# KiCad board for_real_486_rc13.kicad_pcb (continued)
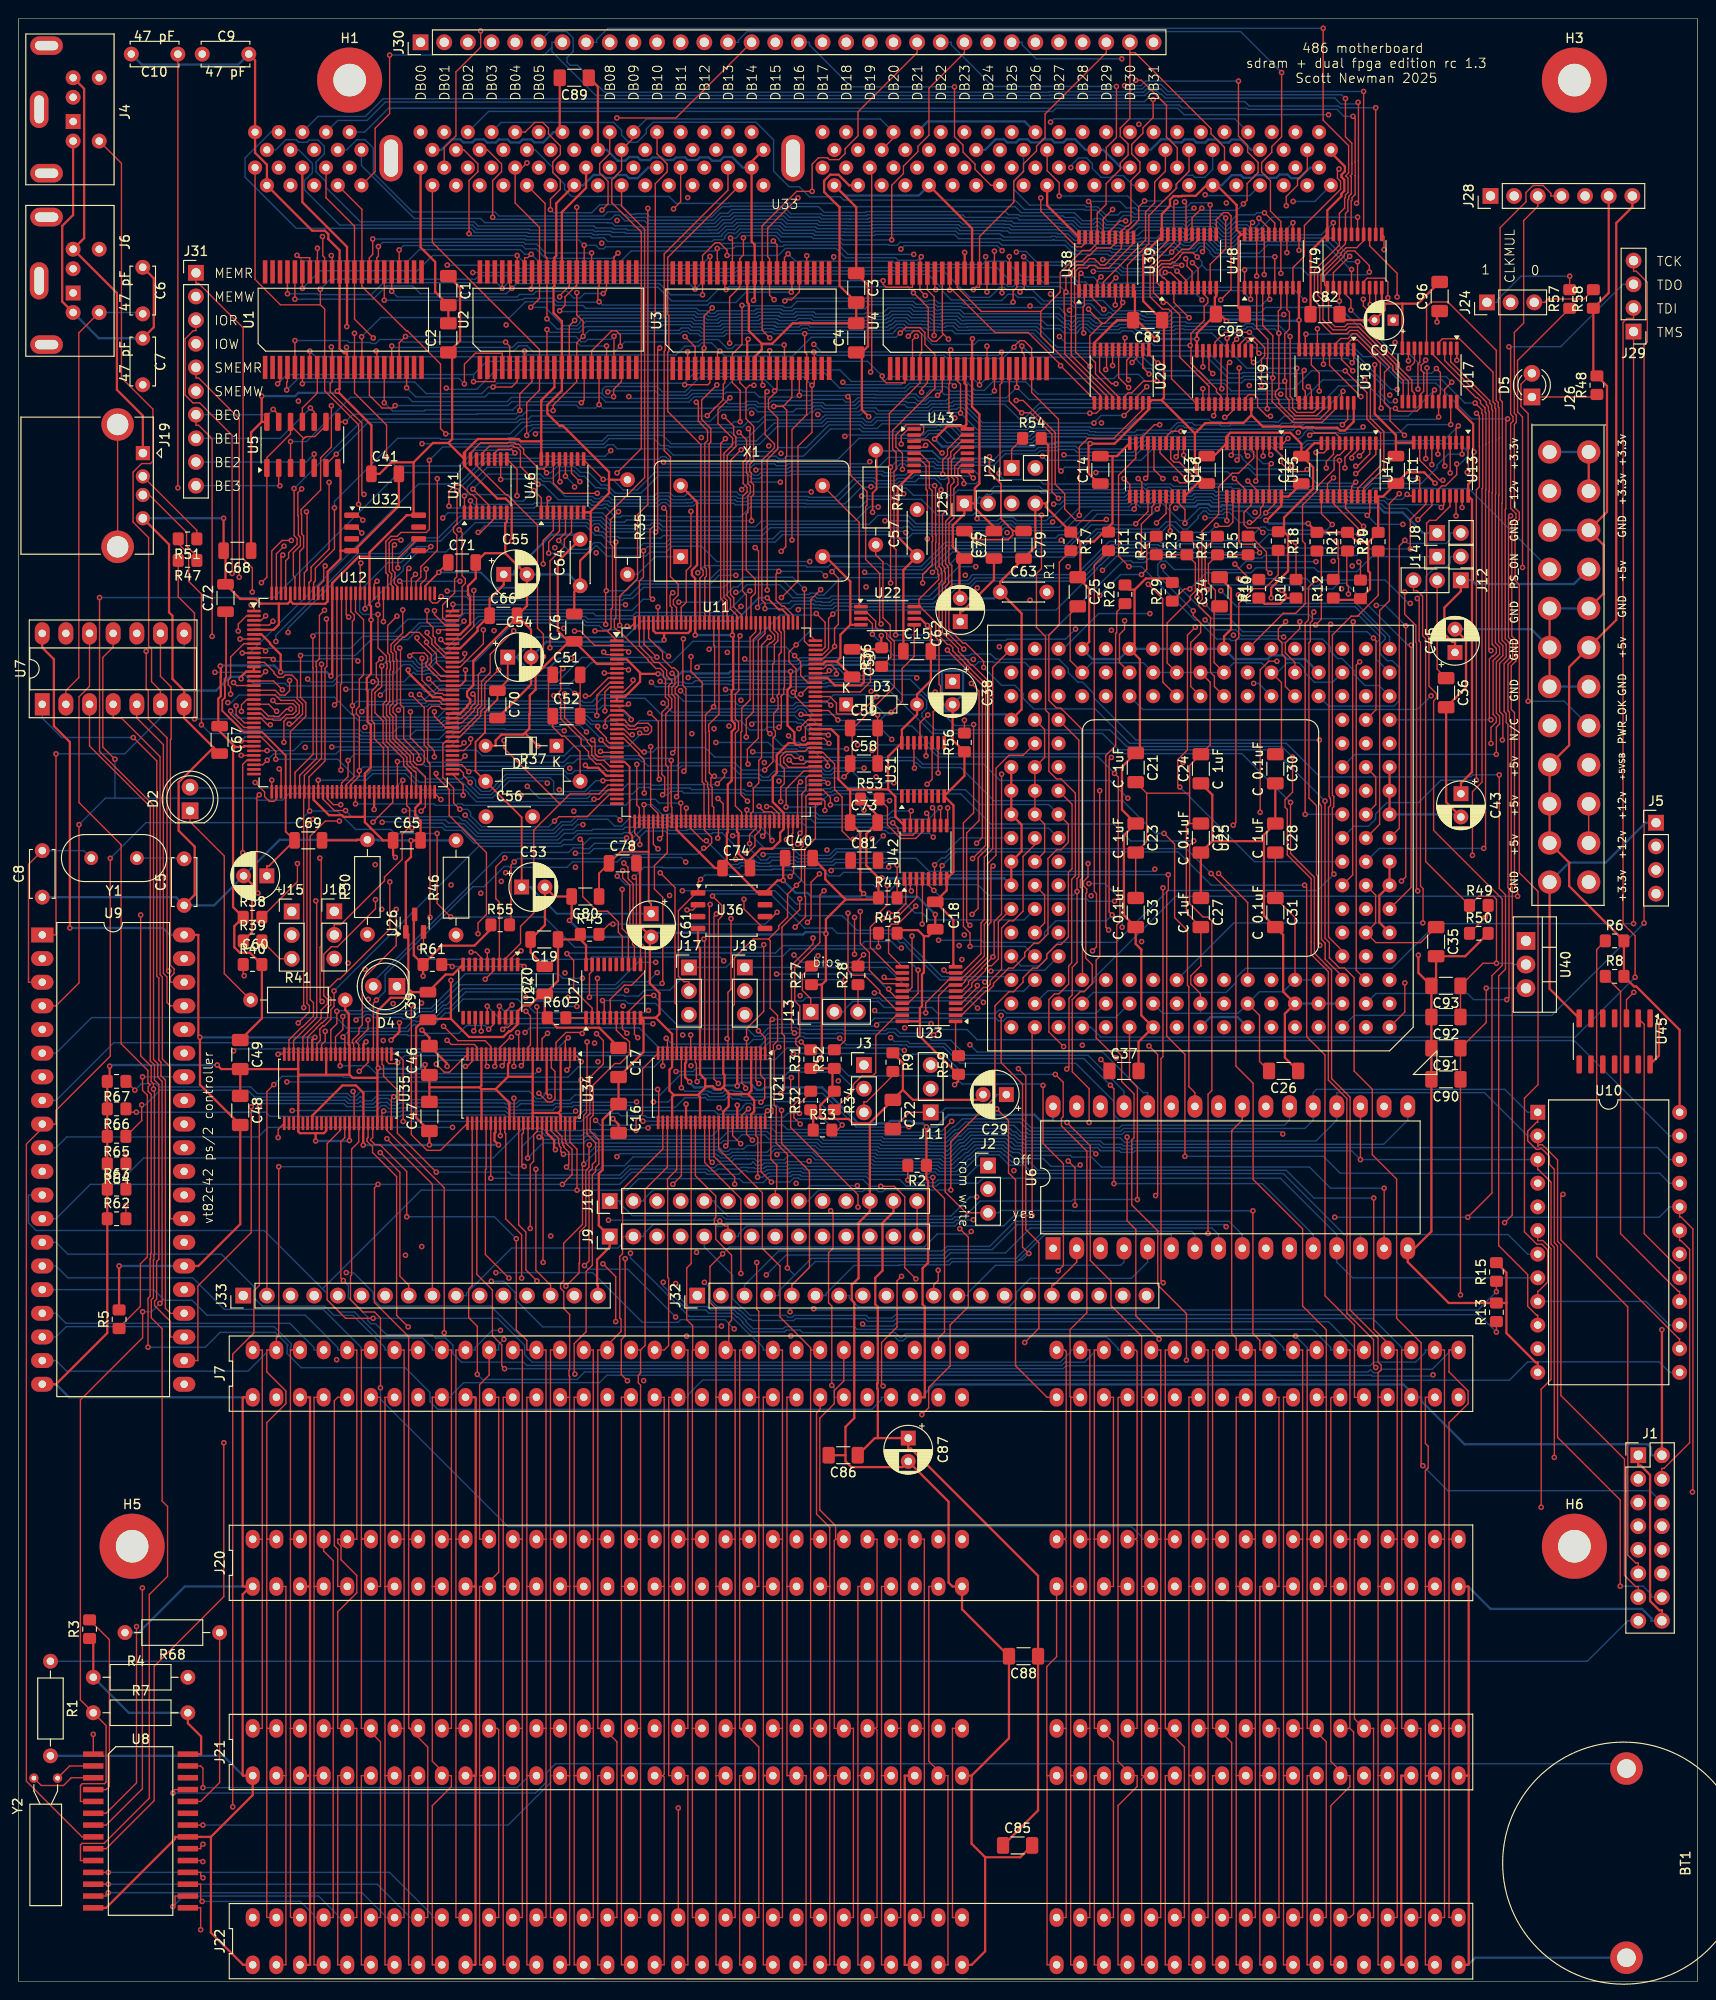
[diagram p0: board, top side]
## Routing (per net, layer and track width the routed paths; a pad name or vN(x,y) marks a point on that pad's centre or on a via; arc(x,y) is an arc through that point) (continued)
AB22: length 161.2
  Top w0.15: U35.11 35.04,101.23 v1(34.84,101.44) ; U11.98 84.79,139 v1(84.03,138.24) ; v1(128.67,156.39) 128.77,156.29 130,156.29 130.44,156.74 U15.12
  In2.Cu w0.15: 70.83,138.68 70.05,137.9 70.05,136.81 68,134.76 68,134.27 67.66,133.93 67.39,133.93 66.95,133.5 66.84,133.5 66.32,132.98 66.3,132.98 64.77,131.45 64.77,130.04 64.84,129.97 64.84,128.01 64.49,127.66 64.49,126.66 63.33,125.5 63.33,121.92 63.03,121.61 63.03,121.51 62.5,120.98 62.5,119.73 62.32,119.55 62.32,119.49 62.32,116.24 62.09,116.01 62.09,115.22 61.86,114.99 61.86,110.52 59.97,108.64 v1(59.97,104.72) ; 70.83,138.68 71.06,138.68 v1(71.11,138.63) ; 70.83,138.68 70.83,148.06 v1(70.91,148.14)
  Bottom w0.15: v1(71.11,138.63) 71.6,138.14 76.15,138.14 76.24,138.23 82.64,138.23 82.98,137.89 83.46,137.89 83.81,138.24 v1(84.03,138.24) ; v1(34.84,101.44) 35.43,102.04 41.84,102.04 41.96,102.16 41.96,102.29 42.47,102.8 42.53,102.8 42.63,102.7 42.87,102.7 42.92,102.75 44.57,102.75 45.84,104.03 46.28,104.03 47.76,105.51 53.6,105.51 53.98,105.12 55.24,105.12 55.42,105.3 58.42,105.3 59.01,104.72 v1(59.97,104.72) ; v1(70.91,148.14) 75.18,148.14 76.81,149.77 77.25,149.77 77.9,150.42 82.17,150.42 83.63,148.97 84.65,148.97 84.65,148.97 84.88,148.97 85.02,149.11 85.72,149.11 85.92,148.91 86.49,148.91 88.36,150.78 98.61,150.78 100.81,152.98 113.32,152.98 115.98,155.64 122.75,155.64 123.53,156.42 123.9,156.42 124.68,155.64 127.92,155.64 v1(128.67,156.39)
AB23: length 160.7
  Top w0.15: U35.12 v1(34.54,98.35) ; U15.11 v1(129.79,156.9) ; v1(83.36,142.4) 84.01,141.75 84.01,140.26 84.77,139.5 U11.99
  In1.Cu w0.15: v1(62.23,98.78) 61.66,98.2 60.2,98.2 59.95,98.46 56.45,98.46 v1(55.87,97.88) ; v1(102.83,151.96) 104.04,153.17 114.35,153.17 118.32,157.15 121.92,157.15 122,157.23 127.42,157.23 v1(127.44,157.2)
  In2.Cu w0.15: v1(77.05,149.2) 74.18,146.33 v1(74.18,143.08) 73.9,142.81 73.9,138.31 72.85,137.26 72.85,136.9 71.04,135.09 71.04,134.53 66.25,129.75 66.25,127.43 65.9,127.08 65.9,125.44 65.55,125.08 65.55,124.09 64.74,123.28 64.74,121.33 64.44,121.03 64.44,120.93 63.91,120.4 63.91,119.14 63.73,118.97 63.73,114.87 63.27,114.41 63.27,105.74 63.3,105.71 63.3,104.83 62.66,104.19 62.66,101.48 62.6,101.42 62.6,100.35 62.23,99.98 v1(62.23,98.78)
  Bottom w0.15: v1(77.05,149.2) 77.4,149.2 78.22,150.02 81.76,150.02 83.16,148.62 84.8,148.62 84.8,148.62 85.03,148.62 85.15,148.74 85.59,148.74 85.77,148.56 85.78,148.56 87.07,148.56 87.31,148.79 97.82,148.79 100.99,151.96 v1(102.83,151.96) ; v1(34.54,98.35) 37.57,98.35 38.41,97.5 55.5,97.5 v1(55.87,97.88) ; v1(127.44,157.2) 129.49,157.2 v1(129.79,156.9) ; v1(74.18,143.08) 74.42,143.33 82.43,143.33 v1(83.36,142.4)
AB24: length 132.5
  Top w0.15: U11.101 86.79,140.5 v1(87.08,140.79) ; v1(123.71,155.79) 123.67,155.83 123.67,158.53 123.92,158.77 U16.18 ; v1(34.83,103.64) 34.83,102.25 34.04,101.46 U35.13
  In1.Cu w0.15: v1(96.49,140.01) 98.23,141.75 101.51,141.75 102.33,142.57 103.06,142.57 105.46,144.98 107.82,144.98 114.98,152.15 118.58,152.15 122.22,155.79 v1(123.71,155.79) ; v1(74.71,134.55) 75.2,134.55 76.07,135.41 76.4,135.41 80.03,139.05 85.34,139.05 v1(87.08,140.79)
  In2.Cu w0.15: v1(68.44,109.46) 68.44,110.57 69.43,111.57 69.43,116.32 69.35,116.4 69.35,118.57 70.11,119.33 70.11,120.05 71.31,121.26 71.31,123.89 72.67,125.24 72.67,132.51 v1(74.71,134.55)
  Bottom w0.15: v1(34.83,103.64) 35.09,103.9 36.83,103.9 37.15,104.21 37.92,104.21 38.23,103.9 42.69,103.9 42.96,104.16 44.42,104.16 45.47,105.21 45.57,105.21 47.42,107.05 64.13,107.05 66.53,109.46 v1(68.44,109.46) ; v1(87.08,140.79) 87.39,140.79 87.6,141.01 87.62,141.01 87.62,141.01 88.1,141.01 88.86,140.25 96.25,140.25 v1(96.49,140.01)
AB25: length 134.2
  Top w0.15: U35.14 33.54,102.21 34.18,102.85 v1(34.18,104.2) ; U11.102 86.48,141 86.84,141.37 87.32,141.37 87.86,140.83 v1(87.86,140.43) ; v1(122.24,156.65) 123.27,157.68 U16.17
  In1.Cu w0.15: v1(87.86,140.43) 94.08,140.43 98.62,144.97 102.79,144.97 110.36,152.53 118.12,152.53 v1(122.24,156.65)
  In2.Cu w0.15: v1(60.57,107.74) 62.21,109.39 62.21,114.85 62.44,115.08 62.44,115.86 62.67,116.1 62.67,119.4 62.85,119.58 62.85,120.83 63.38,121.37 63.38,121.47 63.68,121.77 63.68,125.36 64.84,126.52 64.84,127.52 65.2,127.87 65.2,130.12 65.13,130.19 65.13,131.3 66.45,132.63 66.47,132.63 66.99,133.15 67.1,133.15 67.52,133.56 67.52,133.56 67.54,133.58 67.8,133.58 68.35,134.12 68.35,134.61 71.93,138.19 v1(71.93,140.04)
  Bottom w0.15: v1(87.86,140.43) 87.63,140.21 84.52,140.21 84.43,140.12 79.76,140.12 79.71,140.17 76.51,140.17 76.4,140.05 71.94,140.05 v1(71.93,140.04) ; v1(34.18,104.2) 34.24,104.26 36.7,104.26 37,104.56 38.06,104.56 38.36,104.26 42.56,104.26 42.81,104.51 44.27,104.51 48,108.23 57.97,108.23 58.46,107.74 v1(60.57,107.74)
AB26: length 137.4
  Top w0.15: v1(122.32,158.15) 122.61,158.45 U16.16 ; v1(87.38,151.42) 88.06,150.74 88.06,145.75 87.65,145.34 v1(87.65,143.38) 87.65,143.29 86.53,142.17 86.51,142.17 86.34,142 U11.104 ; v1(32.94,102.05) 32.94,101.01 32.54,100.61 U35.16
  In1.Cu w0.15: v1(77.59,137.61) 79.37,139.4 83.67,139.4 v1(87.65,143.38)
  In2.Cu w0.15: v1(36.25,103.26) 35.04,102.05 v1(32.94,102.05) ; v1(68.6,108.36) 69.02,108.77 69.02,110.26 70.58,111.83 70.58,115.35 71.89,116.66 71.89,119.64 72.66,120.41 72.66,122.62 74.16,124.11 74.16,129.71 75.95,131.5 75.95,132 76.88,132.93 76.88,136.91 v1(77.59,137.61)
  Bottom w0.15: v1(68.6,108.36) 67.6,107.35 64.93,107.35 64.38,106.81 64.2,106.63 47.71,106.63 45.94,104.85 45.61,104.85 44.56,103.81 43.1,103.81 42.83,103.53 42.21,103.53 42.07,103.38 41.3,103.38 41.15,103.54 38.08,103.54 37.77,103.86 37.29,103.86 36.98,103.54 36.53,103.54 v1(36.25,103.26) ; v1(87.38,151.42) 87.89,151.93 92.61,151.93 92.92,151.62 97.12,151.62 99.73,154.23 112.5,154.23 115.88,157.6 117.09,157.6 117.15,157.54 121.7,157.54 v1(122.32,158.15)
AB27: length 131.7
  Top w0.15: v1(120.57,153.32) 120.61,153.37 120.61,156.53 121.74,157.65 121.74,158.39 121.96,158.62 U16.15 ; U11.105 86.34,142.5 87.01,143.17 87.01,146.4 v1(87.46,146.85) ; v1(33.88,106.39) 33.88,104.72 33.54,104.38 33.54,103.33 32.83,102.62 32.7,102.62 32.36,102.28 32.36,101.68 32.41,101.64 32.41,101.07 32.04,100.7 U35.17
  In1.Cu w0.15: v1(76.14,142.75) 76.36,142.97 78.44,142.97 81.72,146.26 86.87,146.26 v1(87.46,146.85)
  In2.Cu w0.15: v1(76.14,142.75) 74.38,140.99 74.38,137.95 73.73,137.29 73.73,137.18 71.39,134.84 71.39,134.39 66.9,129.89 66.9,129.4 66.6,129.1 66.6,127.29 66.25,126.93 66.25,125.29 65.9,124.94 65.9,123.4 v1(65.32,122.82)
  Bottom w0.15: v1(87.46,146.85) 87.9,147.29 111.42,147.29 115.86,151.72 115.86,151.81 116.19,152.15 116.29,152.15 117.64,153.51 120.38,153.51 v1(120.57,153.32) ; v1(65.32,122.82) 61.4,122.82 60.68,122.1 58.51,122.1 58.31,121.9 49.4,121.9 v1(33.88,106.39)
AB28: length 140.9
  Top w0.15: U16.14 121.32,157.88 v1(120,156.57) ; v1(39.88,118.1) 39.88,113.04 34.49,107.65 34.28,107.65 33.19,106.56 33.19,105.97 33.53,105.63 33.53,104.86 33.19,104.52 33.19,103.52 32.64,102.97 32.55,102.97 32.01,102.43 32.01,102.39 31.04,101.43 U35.19 ; U11.106 86.33,143 86.64,143.31 86.64,145.98 v1(85.69,146.92)
  In1.Cu w0.15: v1(85.69,146.92) 86.45,146.92 v1(90.88,151.36)
  In2.Cu w0.15: v1(39.88,118.1) 39.88,137.14 v1(38.86,138.16)
  Bottom w0.15: v1(85.69,146.92) 85.53,146.76 81.8,146.76 78.98,143.94 72.43,143.94 70.15,141.66 61.54,141.66 59.11,139.23 45.23,139.23 44.53,138.53 43.61,138.53 43.33,138.8 39.5,138.8 v1(38.86,138.16) ; v1(90.88,151.36) 91.05,151.18 97.27,151.18 97.59,151.5 97.59,151.59 97.93,151.93 98.12,151.93 100.06,153.88 112.65,153.88 115.22,156.45 119.88,156.45 v1(120,156.57)
AB29: length 134.3
  Top w0.15: v1(65.37,145.56) 65.82,145.56 U11.144 ; U35.20 30.54,101.46 32.5,103.42 32.5,104.33 33.18,105.01 33.18,105.48 32.78,105.88 32.78,110.32 33.58,111.12 34.25,111.12 38.34,115.21 v1(38.34,116.19) ; v1(120.26,161.42) 120.67,161.01 U16.13
  In1.Cu w0.15: v1(112.01,154.81) 113.65,154.81 v1(120.26,161.42) ; v1(49.65,116.88) 49.55,116.78 38.92,116.78 v1(38.34,116.19) ; v1(72.95,151.31) 70.14,151.31 65.37,146.54 v1(65.37,145.56)
  In2.Cu w0.15: v1(65.37,145.56) 65.37,144.46 61.34,140.43 59.7,140.43 58.57,139.31 57.89,139.31 54.5,135.92 54.5,132.35 52.73,130.58 52.73,130.52 52.78,130.46 52.78,130.22 52.33,129.76 52.33,124.01 50.11,121.8 50.11,121.73 50.2,121.64 50.2,121.39 49.87,121.06 49.87,117.81 49.65,117.59 v1(49.65,116.88)
  Bottom w0.15: v1(72.95,151.31) 73.71,152.06 84.56,152.06 84.71,151.92 86.94,151.92 87.31,152.28 93.28,152.28 93.59,151.97 96.94,151.97 99.55,154.58 111.78,154.58 v1(112.01,154.81)
AB30: length 149.5
  Top w0.15: U16.12 120.02,158.31 v1(119.84,158.14) ; v1(31.93,116.06) 32.02,115.97 32.02,103.55 29.54,101.06 U35.22 ; v1(69.53,125.91) 69.75,126.13 69.75,130.44 69.52,130.67 69.52,136.14 70.16,136.79 70.16,137.77 69.83,138.1 69.83,139.16 70.16,139.49 70.16,139.71 69.62,140.25 69.62,140.83 68.79,141.66 68.32,141.66 67.99,142 67.99,142.13 66.68,143.44 U11.143 66.68,150.38 67.12,150.83 v1(67.12,153.66)
  In1.Cu w0.15: v1(31.93,116.06) 37.65,116.06 38.1,115.61 38.57,115.61 38.82,115.86 39.08,115.86 39.43,116.22 64.59,116.22 69.13,120.75 69.13,121.17 69.44,121.48 69.44,125.82 v1(69.53,125.91)
  Bottom w0.15: v1(67.12,153.66) 67.56,154.1 69.63,154.1 70.12,154.59 81.26,154.59 82.05,155.39 93.54,155.39 93.91,155.02 95.54,155.02 96.03,155.52 97.85,155.52 97.91,155.46 105.45,155.46 105.88,155.03 111.41,155.03 111.77,155.38 112.71,155.38 115.33,158.01 119.71,158.01 v1(119.84,158.14)
AB31: length 143.7
  Top w0.15: U11.142 67.18,143.62 v1(68.56,142.23) ; U35.23 29.04,101.13 30.42,102.51 30.49,102.51 31.67,103.69 31.67,105.11 31.33,105.46 31.33,123.01 32.94,124.63 v1(34.46,124.63) ; v1(118.75,161.41) 119.36,160.79 U16.11
  In1.Cu w0.15: v1(68.56,142.23) 69.08,141.72 74.4,141.72 74.65,141.47 84.1,141.47 92.29,149.66 92.29,150.38 96.11,154.21 109.88,154.21 112.56,156.89 114.23,156.89 v1(118.75,161.41)
  In2.Cu w0.15: v1(35.15,138.78) 35.15,133.28 34.03,132.15 34.03,125.06 v1(34.46,124.63)
  Bottom w0.15: v1(35.15,138.78) 38.08,138.78 38.53,139.24 44.24,139.24 44.67,139.66 57.98,139.66 60.52,142.21 68.53,142.21 v1(68.56,142.23)
ADS: length 121.8
  Top w0.15: U25.S17 104.64,141.13 104.64,121.67 103.74,120.76 103.74,114.04 103.39,113.69 103.39,110.38 101.32,108.32 U23.9 99.71,108.32 v1(99.4,108.63)
  In1.Cu w0.15: J33.4 32.88,73.66 32.88,74.62 40.76,82.51 41.26,82.51 41.61,82.86 42.52,82.86 55.93,96.27 66.03,96.27 69.38,99.62 82.01,99.62 82.66,100.27 91.04,100.27 v1(99.4,108.63)
ADT_EN: length 146.4
  Top w0.15: v1(133.98,157.74) 134.99,158.75 U15.19 ; U12.110 44.19,148.32 44.46,148.05 44.96,148.05 45.4,148.49 v1(45.4,148.75) ; U16.19 124.57,158.82 125.29,158.1 v1(125.29,156.61) ; U14.19 145.15,157.74 v1(144.87,157.46) ; v1(84.41,149.54) 84.41,143.95 84.86,143.5 U11.107 ; U13.19 v1(155.06,158.31)
  In1.Cu w0.15: v1(93.06,156.88) 89.94,153.76 89.94,153.13 87.05,150.24 85.11,150.24 v1(84.41,149.54) ; v1(155.06,158.31) 156.26,159.51 156.26,162.3 155.89,162.67 155.32,162.67 150.59,157.94 149.93,157.94 149.39,157.39 149.39,157.19 v1(148.7,156.5)
  Bottom w0.15: 125.29,156.91 125.53,156.91 126.9,158.28 127.67,158.28 128.03,157.93 129.22,157.93 129.44,158.15 129.45,158.15 129.46,158.14 130.22,158.14 130.44,157.92 131.86,157.92 132.61,157.18 133.4,157.18 133.97,157.74 v1(133.98,157.74) 144.59,157.74 v1(144.87,157.46) 145.83,156.5 v1(148.7,156.5) ; 125.29,156.91 124.72,156.91 122.91,158.73 122.56,158.73 122.55,158.73 122.08,158.73 121.72,158.38 120.43,158.38 120.09,158.72 119.6,158.72 119.25,158.38 114.04,158.38 111.85,156.18 106.92,156.18 106.57,156.54 105.8,156.54 105.45,156.18 98.18,156.18 98.14,156.22 96.21,156.22 95.55,156.88 v1(93.06,156.88) ; 125.29,156.91 v1(125.29,156.61) ; v1(84.41,149.54) 83.14,150.82 77.8,150.82 77.42,150.44 76.47,150.44 75.76,149.73 67.13,149.73 65.94,148.54 65.05,148.54 64.88,148.37 48.43,148.37 48.05,148.75 v1(45.4,148.75)
AEN: length 146.5
  Top w0.15: J7.42 50.55,65.13 49.52,64.1 49.52,47.5 J20.42 ; U42.4 97.09,113.6 v1(97.07,113.57) ; J21.42 51.43,27.18 51.57,27.03 51.57,6.86 J22.42
  In1.Cu w0.15: v1(57.16,80.06) 57.16,80.16 63.9,86.9 71.82,86.9 78.07,93.15 79.27,93.15 80.33,94.2 82.01,94.2 87.37,99.56 92.44,99.56 93.67,100.79 93.91,100.79 94.25,101.13 94.25,101.48 v1(95.18,102.41)
  In2.Cu w0.15: J21.42 51.57,27.18 51.57,47.5 J20.42 ; v1(97.07,113.57) 97.21,113.43 97.21,105.02 95.18,103 v1(95.18,102.41) ; v1(52.13,68.96) 55.99,72.82 55.99,74.18 57.16,75.35 v1(57.16,80.06)
  Bottom w0.15: v1(52.13,68.96) 51.57,68.4 51.57,67.82 J7.42
AHOLD: length 35.8
  In1.Cu w0.15: U25.A17 101.3,97.16 97.42,97.16 86.93,86.66 82.48,86.66 79.87,84.04 79.87,83.82 J10.7
AP_INC: length 65.1
  Top w0.15: v1(95.89,125.72) 95.8,125.63 U42.15 ; v1(101.54,143.09) 99.58,145.05 99.58,149.82 99.9,150.14 99.9,151.84 99.8,151.94 99.8,152.03 99.58,152.25 99.58,154.1 99.6,154.12 99.6,156.84 100.12,157.37 100.12,160.66 100.47,161.01 100.47,161.33 100.2,161.6 100.2,163.36 100.49,163.64 100.49,163.97 101.3,164.79 U43.13 ; v1(78.23,125.83) 78.18,125.78 U11.61
  In2.Cu w0.15: v1(95.89,125.72) 95.89,128.42 96.81,129.35 96.81,132.07 101.54,136.79 v1(101.54,143.09)
  Bottom w0.15: v1(78.23,125.83) 78.53,125.54 85.65,125.54 86,125.19 93.34,125.19 93.87,125.72 v1(95.89,125.72)
BA0: length 113.6
  Top w0.15: v1(67.6,190.44) 67.6,158.64 66.48,157.53 66.48,150.68 64.57,148.77 v1(64.57,145.66) ; v1(28,130.24) 28.19,130.04 U12.39
  In1.Cu w0.15: U33.122 76.63,196.72 75.05,195.14 75.05,194.64 73.89,193.48 73.89,192.8 72.08,190.99 68.15,190.99 v1(67.6,190.44)
  In2.Cu w0.15: v1(31.05,139.88) 30.62,140.3 28.63,140.3 28.39,140.06 28.31,140.06 26.39,138.14 26.39,137.09 26.41,137.07 26.41,137.06 26.47,136.99 26.47,135.23 26.46,135.22 26.46,134.29 28.2,132.55 28.2,130.44 v1(28,130.24)
  Bottom w0.15: v1(31.05,139.88) 31.35,139.57 33.73,139.57 34.49,140.34 40.21,140.34 41.31,141.44 42.08,141.44 42.18,141.33 42.21,141.33 42.81,140.74 43.57,140.74 43.66,140.83 43.96,140.83 44.94,141.81 49.11,141.81 53.21,145.91 60.59,145.91 60.87,145.63 62.37,145.63 62.82,145.18 64.09,145.18 v1(64.57,145.66)
BA1: length 101.3
  Top w0.15: U12.41 29.19,134.23 30.85,135.9 30.85,137.34 30.28,137.91 v1(30.28,142.41)
  In1.Cu w0.15: U33.39 73.8,186.7 v1(62.64,186.7)
  In2.Cu w0.15: v1(62.64,186.7) 62.64,182.66 61.33,181.35 61.33,178.45 49.95,167.07 49.95,148.22 v1(47.84,146.11)
  Bottom w0.15: v1(30.28,142.41) 36.16,142.41 37.86,144.12 41.78,144.12 43.22,145.56 47.3,145.56 v1(47.84,146.11)
BALE: length 231.9
  Top w0.15: U7.12 7.61,139.1 6.49,137.98 6.49,126.62 11,122.1 11,100.71 13.89,97.83 13.89,96.52 14.09,96.32 14.09,96.26 13.91,96.08 13.91,95.6 14.24,95.28 14.24,78.22 14.18,78.16 14.18,77.68 14.12,77.62 14.12,73.58 13.9,73.36 v1(13.9,68.12) ; J22.28 92.7,1.78 92.7,22.1 92.7,22.1 ; J20.28 92.7,42.42 92.7,22.1 ; 92.7,22.1 J21.28
  In2.Cu w0.15: J20.28 92.7,42.42 92.7,60.43 93.73,61.46 J7.28
  Bottom w0.15: J7.28 92.7,62.74 92.7,62.48 91.66,61.44 45.04,61.44 44.2,62.28 44.2,63.25 41.53,65.92 30.36,65.92 28.84,67.43 28.84,68.24 28.91,68.3 28.91,68.37 27.56,69.71 21.64,69.71 20.05,68.12 v1(13.9,68.12)
BCLK0: length 82.8
  Top w0.15: U22.3 91.18,146.36 91.72,145.82 v1(91.72,144.7) ; U25.C3 142.19,107.95 140.35,109.79 140.35,111.52 139.96,111.92 139.96,126.25 139.77,126.44 139.77,126.53 139.73,126.57 v1(139.73,133.33)
  Bottom w0.15: v1(139.73,133.33) 120.03,133.33 115.52,137.84 115.52,138.31 114.28,139.55 113.79,139.55 112.75,140.59 112.75,141.02 111.74,142.02 104.98,142.02 104.43,142.57 102.32,142.57 102.15,142.4 94.01,142.4 91.72,144.7 v1(91.72,144.7)
BCLK1: length 108.6
  Top w0.15: 96.73,147.77 98.52,145.98 98.52,144.36 98.87,144.01 98.87,139.31 99.04,139.15 99.04,137.15 98.25,136.36 98.25,133.15 U31.11 98.13,129.11 v1(97.6,128.58) ; 96.73,147.77 96.62,147.66 U22.8 ; 96.73,147.77 96.73,148.46 98.84,150.57 98.84,151.05 98.74,151.15 98.74,151.59 98.5,151.83 98.5,154.52 98.54,154.56 98.54,155.33 98.5,155.37 98.5,160.56 v1(98.41,160.65) ; v1(56.96,159.28) 56.8,159.12 U46.2 ; U42.11 98.39,125.84 v1(98.17,126.06) ; U43.2 96.88,166.09 97.22,166.43 97.22,167.03 97.03,167.22 95.36,167.22 94.24,166.09 94.24,164.81 94.94,164.11 v1(94.94,162.41) ; U41.2 v1(48.54,159.03)
  In1.Cu w0.15: v1(97.6,128.58) 97.6,126.64 v1(98.17,126.06) ; v1(91.56,160.55) 93.08,160.55 v1(94.94,162.41)
  Bottom w0.15: v1(98.41,160.65) 98.31,160.74 94.73,160.74 94.47,160.49 91.56,160.49 ; 56.96,158.79 v1(56.96,159.28) ; 56.96,158.79 55.42,158.79 55.28,158.65 48.93,158.65 v1(48.54,159.03) ; 56.96,158.79 61.36,158.79 61.56,158.58 61.61,158.58 61.63,158.55 62.69,158.55 62.81,158.67 63.21,158.67 63.44,158.44 68.68,158.44 68.72,158.49 68.72,158.49 69.06,158.83 69.54,158.83 69.88,158.49 69.88,158.49 69.92,158.44 71.96,158.44 71.98,158.47 72.48,158.47 72.78,158.76 76.83,158.76 77,158.6 78.35,158.6 78.52,158.76 84.55,158.76 84.61,158.71 88.76,158.71 90.55,160.49 91.56,160.49 ; 91.56,160.49 v1(91.56,160.55)
BE0: length 163.6
  Top w0.15: U5.13 27.94,168.25 v1(27.35,168.84) ; U23.2 101.29,103.77 103.93,106.41 104.18,106.41 104.72,106.95 104.72,107.21 106.35,108.84 106.85,108.84 108.08,110.06 108.08,110.52 109.04,111.48 109.55,111.48 110.58,112.51 110.58,120.61 111.5,121.54 111.97,121.54 112.77,122.33 112.77,124.29 U25.K15 ; v1(20.79,144.46) 20.79,165.66 20.61,165.84 20.61,165.87 19.33,167.15 19.05,167.15 J31.7
  In1.Cu w0.15: v1(20.79,144.46) 23.84,141.41 28.24,141.41 29.68,139.96 29.68,139.77 36.16,133.29 44.96,133.29 47.56,130.69 51.86,130.69 53.98,128.58 54.42,128.58 v1(54.64,128.36)
  Bottom w0.15: J31.7 26.78,168.27 v1(27.35,168.84) ; U25.K15 110.66,126.4 103.31,126.4 101.71,128 91.48,128 91.22,128.25 87.33,128.25 87.19,128.11 86.46,128.11 86.2,127.85 78.14,127.85 77.97,128.02 72.3,128.02 72.14,128.18 69.95,128.18 69.81,128.04 67.91,128.04 67.72,128.24 66.65,128.24 65.96,127.55 61.58,127.55 61.24,127.21 61.1,127.07 55.93,127.07 v1(54.64,128.36)
BE1: length 150.3
  Top w0.15: U5.10 31.75,168.59 v1(31.35,169) ; U25.J16 109.17,122.1 107.9,120.83 107.9,114.96 106.86,113.92 106.38,113.92 105.59,113.13 105.59,108.71 104.37,107.49 104.37,107.1 104.04,106.76 103.64,106.76 101.3,104.42 U23.3
  In1.Cu w0.15: U25.J16 107.9,124.08 105.87,124.08 96.55,133.4 v1(93.8,133.4)
  In2.Cu w0.15: v1(31.35,169) 34.74,165.6 34.74,142.05 38.04,138.75 39.1,138.75 40.8,137.06 v1(40.8,136.55)
  Bottom w0.15: v1(40.8,136.55) 41.19,136.94 43.88,136.94 44.11,137.17 60.38,137.17 60.53,137.02 61.85,137.02 62.65,137.82 67.28,137.82 69.12,135.97 83.34,135.97 83.81,135.51 84.26,135.51 85.31,134.46 92.74,134.46 v1(93.8,133.4) ; J31.8 28.09,165.73 v1(31.35,169)
BE2: length 156.2
  Top w0.15: v1(31.75,164.05) 31.75,164.05 U5.5 ; U23.4 101.29,105.07 102.99,106.77 v1(102.99,106.96)
  In2.Cu w0.15: U25.J15 110.44,121.54 108.94,121.54 107.9,120.5 107.9,120.02 106.88,119 106.4,119 104.05,116.65 104.05,111.53 103.87,111.35 103.87,108.23 102.99,107.34 v1(102.99,106.96) ; v1(39.05,124.51) 39.23,124.68 39.23,136.35 33.86,141.73 33.86,150.29 32.23,151.92 32.23,163.58 v1(31.75,164.05)
  Bottom w0.15: v1(39.05,124.51) 39.08,124.54 42.4,124.54 42.54,124.39 45.55,124.39 45.94,124.01 47.35,124.01 47.38,123.98 47.69,123.98 49.07,122.61 57.93,122.61 58.63,123.31 59.64,123.31 59.94,123.61 61.56,123.61 61.7,123.75 64.94,123.75 65.17,123.97 65.97,123.97 66.67,124.67 68.79,124.67 68.86,124.61 69.91,124.61 70.09,124.43 84.2,124.43 84.66,123.98 93.27,123.98 93.38,123.87 110.65,123.87 U25.J15 ; v1(31.75,164.05) 30.9,163.19 J31.9
BE3: length 128.4
  Top w0.15: U25.F17 105.24,113.8 105.24,109.81 104.52,109.09 104.2,109.09 103.86,108.75 103.86,108.59 102.83,107.55 102.73,107.55 102.4,107.21 102.4,106.84 101.27,105.72 U23.5 ; U5.2 27.94,160.77 v1(28.07,160.64)
  In1.Cu w0.15: U25.F17 96.89,115.19 96.62,114.92 95.26,114.92 92.81,117.37 92.52,117.37 88.11,121.78 88.11,122.06 87.36,122.81 87.09,122.81 81.9,128 77,128 67.21,137.78 64.95,137.78 64.78,137.61 64.48,137.61 63.42,138.68 63.11,138.98 60.89,138.98 60.3,139.58 59.8,139.58 59.45,139.93 44.89,139.93 44.6,139.64 44.6,139.59 44.24,139.24 43.86,139.24 43.55,139.55 39.42,139.55 38.45,140.52 38.31,140.52 37.65,141.19 37.65,143.3 33.1,147.85 32.91,147.85 27.59,153.17 27.59,160.16 v1(28.07,160.64)
  Bottom w0.15: v1(28.07,160.64) 28.05,160.65 J31.10
BLAST: length 79.8
  Top w0.15: v1(62.18,107.73) 62.15,107.7 62.15,103.61 U27.3
  In2.Cu w0.15: v1(62.18,107.73) 62.56,108.12 62.56,114.7 62.79,114.93 62.79,115.43 63.03,115.66 63.03,119.26 63.2,119.43 63.2,120.69 63.73,121.22 63.73,121.32 64.04,121.63 64.04,125.21 65.2,126.37 65.2,127.37 65.55,127.72 65.55,130.27 65.48,130.33 65.48,131.14 67.13,132.8 67.25,132.8 67.32,132.87 67.32,132.87 67.66,133.21 67.93,133.21 71.92,137.2 71.92,137.64 72.89,138.6 v1(72.89,141.14)
  Bottom w0.15: U25.R16 108.1,141.66 104.73,141.66 104.66,141.74 103.13,141.74 102.78,141.39 93.61,141.39 93.34,141.65 91.27,141.65 91.1,141.82 84.09,141.82 83.74,141.47 73.21,141.47 v1(72.89,141.14)
BOFF: length 76.8
  Top w0.15: R19.1 146.05,148.87 143.82,146.64 143.15,146.64 141.13,144.61 141.13,127.41 141.29,127.25 141.29,126.18 141.13,126.02 141.13,119.1 v1(141.29,118.93)
  Bottom w0.15: v1(141.29,118.93) 139.53,117.17 123.46,117.17 117.9,111.61 111.74,111.61 110.44,110.31 110.44,109.87 109.64,109.07 107.67,109.07 U25.D17
BRDY: length 119
  Top w0.15: v1(67.21,132.05) 66.95,132.05 65.34,133.67 65.34,133.67 65.01,134 U11.21
  In1.Cu w0.15: v1(90.83,130.32) 91.99,130.32 93.45,128.85 93.45,128.5 93.86,128.1 94.33,128.1 96.46,125.96 96.46,125.73 100.65,121.54 110.44,121.54 U25.H15
  In2.Cu w0.15: J33.12 52.07,82.91 56.16,87 56.16,89.64 57.37,90.85 57.37,93.19 59.85,95.67 59.85,103.41 62.91,106.47 62.91,114.56 63.14,114.79 63.14,115.28 63.38,115.52 63.38,119.11 63.55,119.29 63.55,120.54 64.08,121.07 64.08,121.18 64.39,121.48 64.39,123.71 65.2,124.52 65.2,125.23 65.55,125.58 65.55,127.23 65.9,127.58 65.9,130.41 65.83,130.48 65.83,130.96 66.92,132.05 v1(67.21,132.05)
  Bottom w0.15: v1(67.21,132.05) 68.13,132.05 68.61,132.52 73.75,132.52 74.77,131.5 80.87,131.5 82.05,130.32 86.32,130.32 86.33,130.3 86.67,129.97 87.15,129.97 87.5,130.32 v1(90.83,130.32)
BREQ: length 79.4
  Top w0.15: U27.2 61.61,104.54 59.62,106.53 59.62,109.66 v1(58.9,110.39)
  In2.Cu w0.15: v1(94.83,110.99) 95.1,111.27 95.1,113.16 95.8,113.86 95.8,116.21 97.49,117.9 97.49,119.86 101.72,124.1 101.8,124.1 103.86,126.17 103.86,126.59 106.47,129.19 106.92,129.19 107.86,130.14 107.86,130.62 108.94,131.7 109.44,131.7 110.44,132.7 110.44,136.78 U25.Q15
  Bottom w0.15: v1(58.9,110.39) 58.97,110.45 81.3,110.45 82.1,111.25 90.43,111.25 90.88,111.69 93.76,111.69 94.47,110.99 v1(94.83,110.99)
BS8: length 217
  Top w0.15: v1(67.42,134.51) 67.27,134.65 66.48,134.65 66.31,134.48 65.54,134.48 65.05,134.98 64.3,134.98 U11.19 ; v1(26.53,146.66) 26.05,146.18 U12.3 ; v1(102.21,111.17) 102.21,112.61 101.49,113.32 101.49,124.43 102.59,125.53 v1(102.59,135)
  In1.Cu w0.15: v1(26.53,146.66) 28.51,146.66 31.26,143.92 32.33,143.92 33.13,143.11 33.21,143.11 34.17,142.16 34.17,142.07 36.78,139.46 36.78,138.79 37.56,138.02 37.69,138.02 38.47,137.23 39.13,137.23 39.23,137.14 39.62,137.14 39.79,137.32 40.25,137.32 40.41,137.48 41.52,137.48 41.66,137.34 41.7,137.34 41.75,137.3 43.74,137.3 43.83,137.39 63.13,137.39 65.73,134.79 67.13,134.79 v1(67.42,134.51)
  In2.Cu w0.15: v1(68.92,139.64) 68.55,139.27 68.55,136.12 67.42,135 v1(67.42,134.51) ; U25.D16 108.13,109.07 108.13,98.61 108.33,98.42 108.33,95.22 102.34,89.23 102.34,82.03 v1(102.56,81.81)
  Bottom w0.15: U25.D16 108.11,111.17 v1(102.21,111.17) ; v1(102.59,135) 102.48,134.89 100.59,134.89 97.89,137.58 97.89,137.73 95.77,139.86 86.6,139.86 86.52,139.77 79.61,139.77 79.57,139.81 79.04,139.81 79.03,139.81 76.66,139.81 76.5,139.66 76.44,139.66 76.4,139.7 72.67,139.7 72.39,139.42 71.63,139.42 71.49,139.56 70.72,139.56 70.59,139.42 69.13,139.42 v1(68.92,139.64) ; J33.10 48.12,73.66 48.12,73.92 52.96,78.77 64.37,78.77 64.91,79.31 64.91,80.01 J9.2 67.17,80.01 67.17,80.29 68.2,81.32 74.85,81.32 75.08,81.1 75.55,81.1 75.95,81.5 100.44,81.5 100.72,81.77 102.53,81.77 v1(102.56,81.81)
BS16: length 186.1
  Top w0.15: U11.20 65.02,134.5 65.62,133.91 v1(65.91,133.91) ; U12.4 26.91,145.68 v1(27.32,146.09)
  In1.Cu w0.15: J33.11 50.66,73.66 50.66,73.94 52.1,75.38 52.1,75.78 52.85,76.53 60.33,76.53 60.55,76.31 61.02,76.31 61.24,76.53 62.5,76.53 62.53,76.5 64.84,76.5 67.18,78.83 67.18,80.27 68.04,81.14 70.56,81.14 71.68,80.01 ; v1(65.91,133.91) 65.91,133.88 65.54,133.51 65.54,132.9 65.53,132.9 ; 65.53,132.9 65.44,132.81 62.85,132.81 62.8,132.76 62.31,132.76 62.26,132.81 62.15,132.81 62.06,132.91 61.91,132.76 61.43,132.76 61.09,133.1 61.09,133.1 60.94,133.25 60.94,133.35 58.13,136.16 45.87,136.16 45.05,136.97 44.27,136.97 44.12,136.82 43.76,136.82 43.55,136.61 42.67,136.61 42.33,136.94 41.6,136.94 41.6,136.95 41.21,136.95 41.03,137.13 40.56,137.13 40.4,136.97 39.94,136.97 39.76,136.79 39.08,136.79 38.99,136.88 38.33,136.88 38.27,136.94 38.25,136.94 37.53,137.66 37.4,137.66 36.43,138.62 36.43,139.31 35.68,140.06 35.55,140.06 33.82,141.79 33.82,142.01 33.07,142.76 32.38,142.76 31.58,143.56 31.09,143.56 30.84,143.81 30.84,143.81 29.18,145.47 28.97,145.47 28.34,146.09 v1(27.32,146.09) ; 65.53,132.9 68.75,129.68 69.06,129.68 69.4,129.34 69.4,128.94 69.75,128.59 69.75,127.01 69.82,126.95 69.82,126.44 70.1,126.15 70.1,125.67 69.82,125.38 69.82,121.36 69.48,121.02 69.48,120.53 68.28,119.33 68.28,118.87 68.66,118.48 68.71,118.48 68.79,118.41 68.89,118.41 68.98,118.31 69.04,118.31 69.11,118.24 69.22,118.24 69.61,117.85 70.61,117.85 v1(71.3,117.15) ; 71.68,80.01 72.25,80.01 72.25,80.29 73.09,81.14 75.03,81.14 75.08,81.1 75.55,81.1 77.47,83.01 77.47,84.16 79.11,85.8 79.62,85.8 82.51,88.69 87.79,88.69 91.93,92.83 91.93,93.98 102.25,104.31 102.25,104.61 103.54,105.89 104.96,105.89 U25.C17 ; 71.68,80.01 J9.4